# KiCad board LAUNCHXL-F280049C-KICAD.kicad_pcb
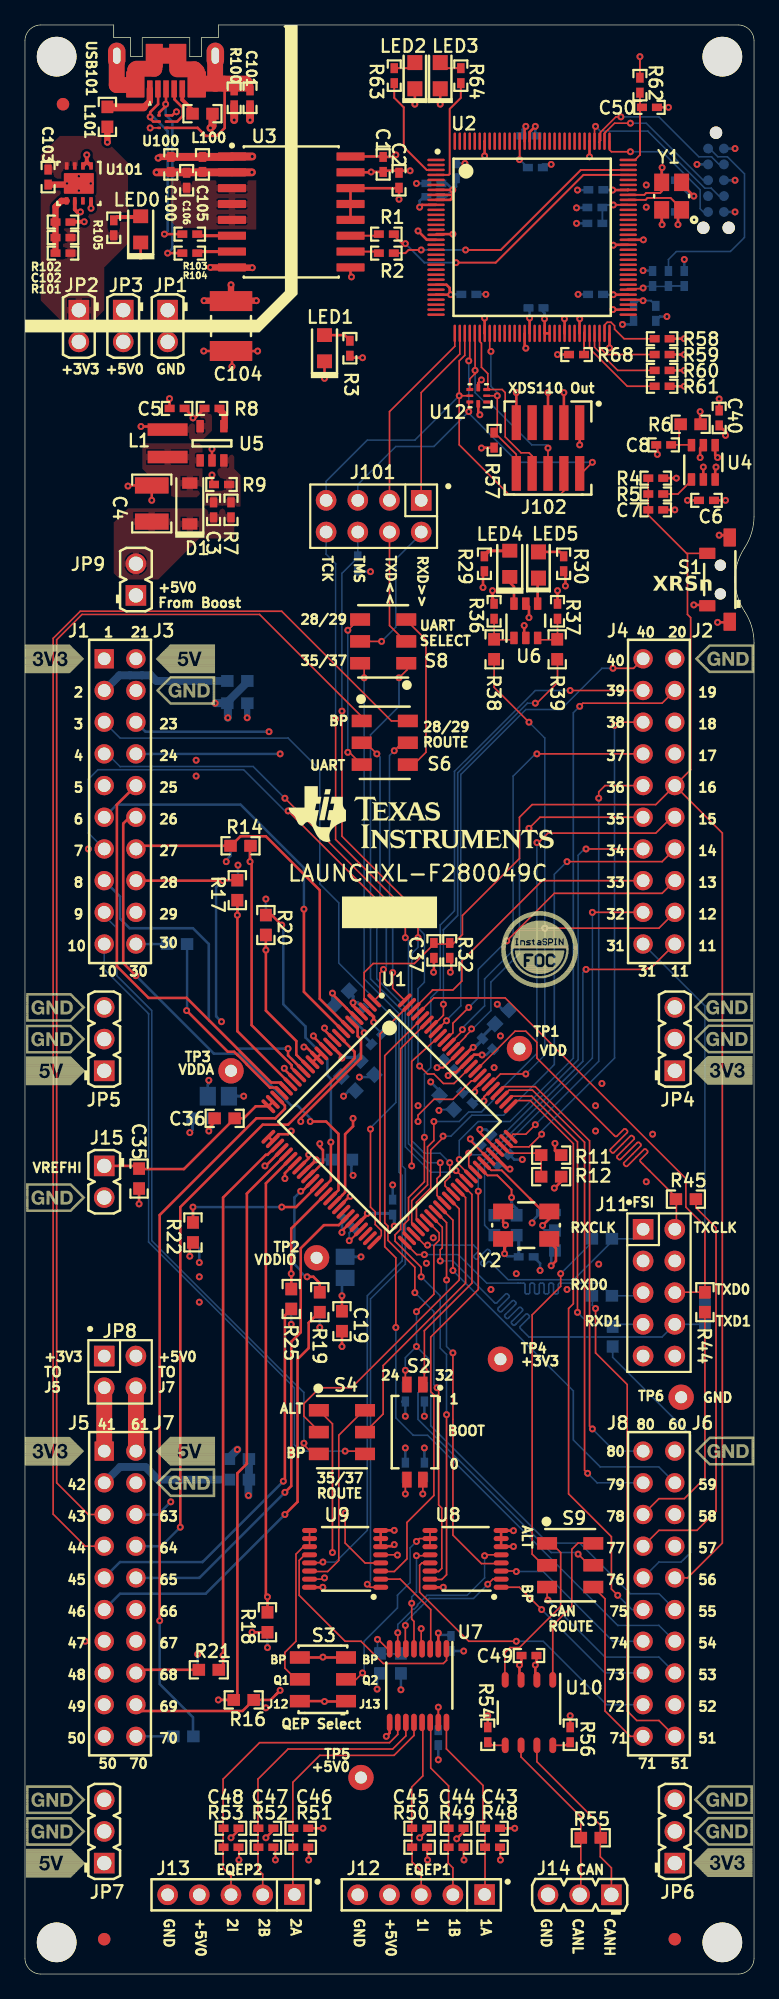
[diagram p0: board, top side]
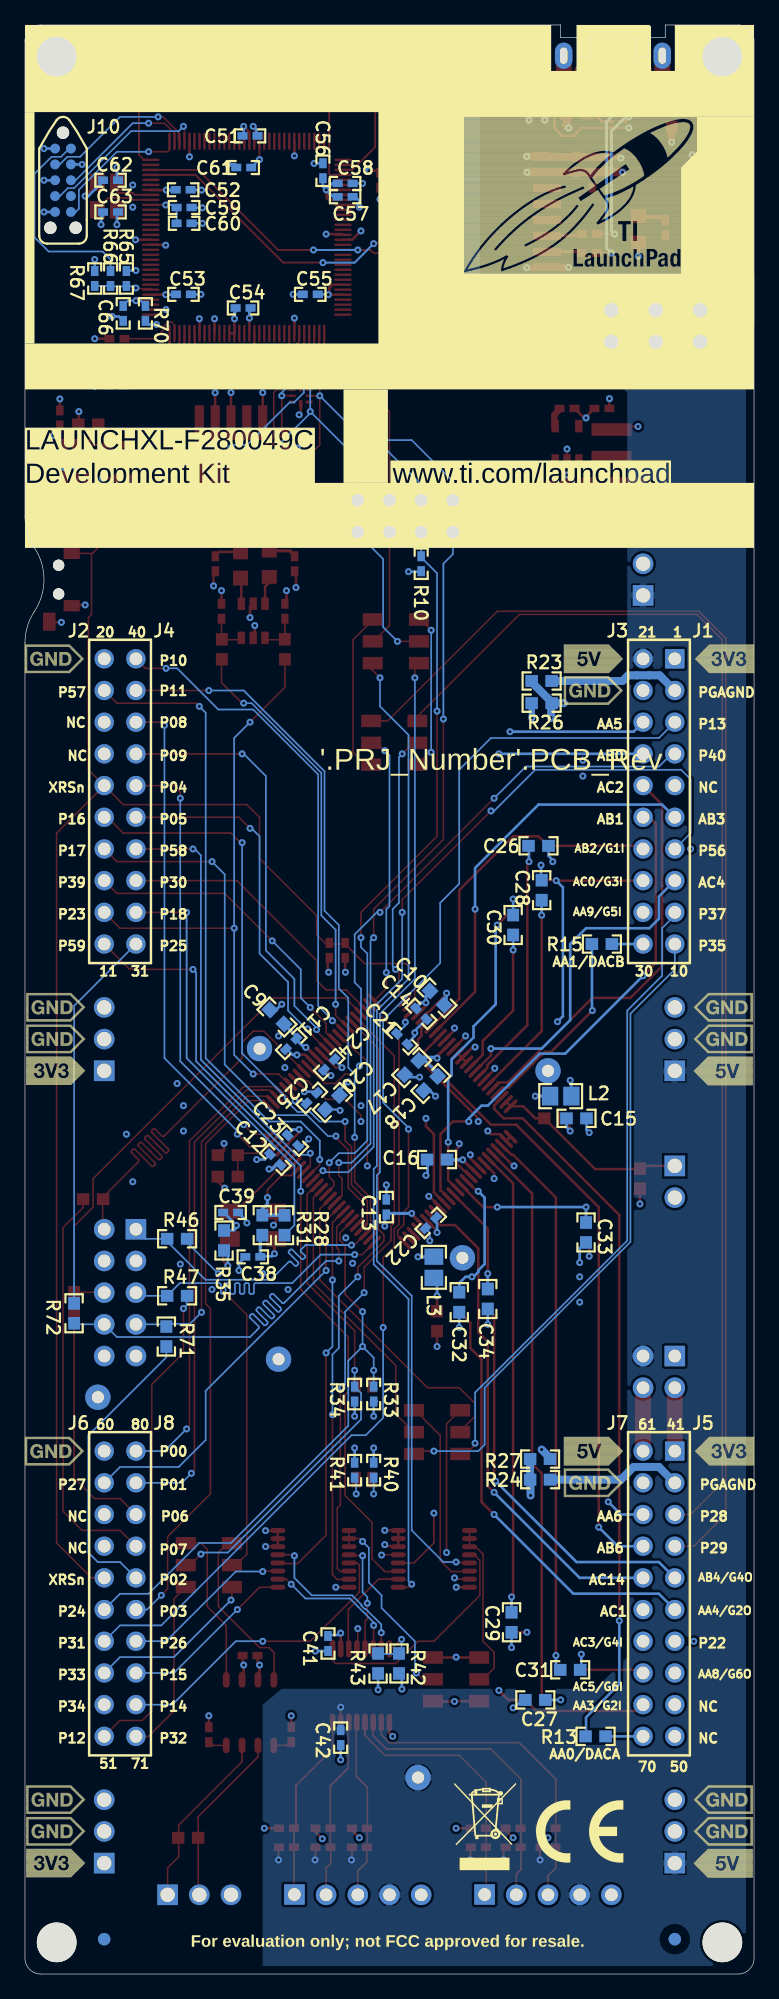
[diagram p1: board, bottom side, seen from below]

Outline 58.42 x 156.21 mm; copper layers: Top Signal, GND, Middle Signal, PWR, GND2, Bottom Signal. Coordinates in mm from the lower left corner of the outline.
Outline path: 0,154.94 arc(0.37,155.84) 1.27,156.21 7.11,156.21 7.11,155.19 8.46,155.19 8.46,153.67 9.4,153.67 9.4,155.19 13.21,155.19 13.21,153.67 14.15,153.67 14.15,155.19 15.49,155.19 15.49,156.21 57.15,156.21 arc(58.05,155.84) 58.42,154.94 58.42,116.84 arc(58.23,115.51) 57.66,114.3 arc(56.9,111.76) 57.66,109.22 arc(58.23,108.01) 58.42,106.68 58.42,1.27 arc(58.05,0.37) 57.15,0 1.27,0 arc(0.37,0.37) 0,1.27 0,154.94

## Placement (name value [footprint] x y rotation side)
C1  GRM155R71A104KA01D  [0402]  28.7 145.03 90 top
C2  GRM155R71A104KA01D  [0402]  29.97 143.76 270 top
C3  GRM1555C1H821JA01D  [0402]  15.11 117.35 90 top
C4  GRM32DR71E106KA12L  [1210_220]  10.16 117.86 90 top
C5  GRM155R60J475ME47D  [0402]  12.19 125.48 180 top
C6  GRM155R71A104KA01D  [0402]  54.61 118.11 0 top
C7  GRM155R71E103KA01D  [0402]  50.55 117.35 0 top
C8  GRM155R71E103KA01D  [0402]  51.18 122.55 180 top
C9  GRM188R61A106ME69D  [0603]  38.23 76.71 225 bottom
C10  GRM188R61A106ME69D  [0603]  25.4 78.23 45 bottom
C11  GRM155R71A104KA01D  [0402]  37.08 74.55 315 bottom
C12  GRM155R71A104KA01D  [0402]  38.35 65.28 45 bottom
C13  GRM155R71A104KA01D  [0402]  29.46 61.47 90 bottom
C14  GRM155R71A104KA01D  [0402]  26.67 76.96 225 bottom
C15  GRM188R61A225KE34D  [0603]  14.22 68.58 0 bottom
C16  GRM188R61A225KE34D  [0603]  25.4 65.28 0 bottom
C17  GRM188R61A225KE34D  [0603]  27.43 72.64 315 bottom
C18  GRM188R61A225KE34D  [0603]  25.91 71.37 315 bottom
C19  GRM188R61A106ME69D  [0603]  25.4 52.32 270 top
C20  GRM188R61A106ME69D  [0603]  33.78 69.85 135 bottom
C21  GRM155R71A104KA01D  [0402]  28.19 74.93 45 bottom
C22  GRM155R71A104KA01D  [0402]  25.91 60.2 315 bottom
C23  GRM155R71A104KA01D  [0402]  36.96 66.8 225 bottom
C24  GRM155R71A104KA01D  [0402]  34.04 72.9 135 bottom
C25  GRM155R71A104KA01D  [0402]  35.43 70.21 315 bottom
C26  GRM1885C1H331JA01D  [0603]  17.27 90.42 0 bottom
C27  GRM1885C1H331JA01D  [0603]  17.53 21.97 180 bottom
C28  GRM1885C1H331JA01D  [0603]  17.02 86.87 270 bottom
C29  GRM1885C1H331JA01D  [0603]  19.43 28.19 90 bottom
C30  GRM1885C1H331JA01D  [0603]  19.3 84.07 270 bottom
C31  GRM1885C1H331JA01D  [0603]  14.73 24.38 0 bottom
C32  GRM1885C1H331JA01D  [0603]  23.62 53.85 270 bottom
C33  GRM1885C1H331JA01D  [0603]  13.46 59.44 270 bottom
C34  GRM1885C1H331JA01D  [0603]  21.34 54.1 270 bottom
C35  GRM188R61A225KE34D  [0603]  9.14 63.75 270 top
C36  GRM188R61A225KE34D  [0603]  16 68.58 180 top
C37  GRM155R71A104KA01D  [0402]  32.77 82.04 90 top
C38  GRM1555C1H150JA01D  [0402]  40.16 57.48 0 bottom
C39  GRM1555C1H150JA01D  [0402]  41.94 61.03 180 bottom
C40  GRM155R71A104KA01D  [0402]  55.63 124.71 270 top
C41  GRM155R71A104KA01D  [0402]  34.14 26.49 270 bottom
C42  GRM155R71A104KA01D  [0402]  33.12 18.95 90 bottom
C43  GRM155R71H102KA01D  [0402]  37.47 11.68 0 top
C44  GRM155R71H102KA01D  [0402]  34.54 11.68 0 top
C45  GRM155R71H102KA01D  [0402]  31.62 11.68 0 top
C46  GRM155R71H102KA01D  [0402]  22.1 11.68 0 top
C47  GRM155R71H102KA01D  [0402]  19.3 11.68 0 top
C48  GRM155R71H102KA01D  [0402]  16.51 11.68 0 top
C49  GRM155R71A104KA01D  [0402]  40.39 25.53 180 top
C50  GRM155R71E103KA01D  [0402]  50.04 149.61 0 top
C51  GRM155R71E103KA01D  [0402]  40.39 147.32 180 bottom
C52  GRM155R71E103KA01D  [0402]  45.75 143 180 bottom
C53  GRM155R71E103KA01D  [0402]  45.72 134.62 180 bottom
C54  GRM155R70J104KA01D  [0402]  40.94 133.53 180 bottom
C55  GRM155R70J104KA01D  [0402]  35.56 134.62 0 bottom
C56  GRM155R61A105KE15D  [0402]  34.54 144.53 90 bottom
C57  GRM155R61A105KE15D  [0402]  32.77 142.44 180 bottom
C58  GRM155R71E103KA01D  [0402]  32.77 143.51 180 bottom
C59  GRM155R60J225KE95D  [0402]  45.67 141.58 180 bottom
C60  GRM155R70J104KA01D  [0402]  45.67 140.31 180 bottom
C61  GRM155R61A105KE15D  [0402]  40.89 144.78 0 bottom
C62  GRM1555C1H120JA01D  [0402]  51.56 143.76 0 bottom
C63  GRM1555C1H120JA01D  [0402]  51.56 141.22 180 bottom
C66  GRM155R70J104KA01D  [0402]  50.55 133.1 270 bottom
C100  GRM155R60J225KE95D  [0402]  11.68 145.03 270 top
C101  GRM155R71H332KA01D  [0402]  18.03 150.37 270 top
C102  GRM1555C1H150JA01D  [0402]  3.05 139.17 180 top
C103  GRM155R60J225KE95D  [0402]  1.85 144.02 270 top
C104  1812SC103KAT1A  [1812]  16.51 132.08 90 top
C105  GRM155R71A104KA01D  [0402]  14.22 145.03 90 top
C106  GRM155R71A104KA01D  [0402]  12.95 143.76 270 top
CE Logo1  CE Mark  [CE_Mark_5mm]  13.97 11.43 180 bottom
D1  1N5819HW-7-F  [SOD-123]  13.21 117.86 90 top
FID1  Fiducial  [Fiducial10-20]  3.05 149.86 0 top
FID2  Fiducial  [Fiducial10-20]  6.35 2.79 0 top
FID3  Fiducial  [Fiducial10-20]  52.07 2.79 0 top
FID4  Fiducial  [Fiducial10-20]  3.05 149.86 180 bottom
FID5  Fiducial  [Fiducial10-20]  6.35 2.79 180 bottom
FID6  Fiducial  [Fiducial10-20]  52.07 2.79 180 bottom
J1  SSQ-110-03-T-D  [BoosterPack_40pin_J1J3]  7.62 93.98 180 bottom
J2  SSQ-110-03-T-D  [BoosterPack_40pin_J2J4]  50.8 93.98 180 bottom
J5  SSQ-110-03-T-D  [BoosterPack_40pin_J1J3]  7.62 30.48 180 bottom
J6  SSQ-110-03-T-D  [BoosterPack_40pin_J2J4]  50.8 30.48 180 bottom
J10  TC2050-IDC-NL-FP  [Tag_TC2050-NL]  55.37 143.76 180 bottom
J11  -  [TSW-105-07-G-D]  50.8 54.61 270 top
J12  TSW-105-07-G-S  [TSW-105-07-X-S]  31.75 6.35 180 top
J13  TSW-105-07-G-S  [TSW-105-07-X-S]  16.51 6.35 180 top
J14  61300311121  [WURTH_61300311121]  44.45 6.35 180 top
J15  61300211121  [WURTH_61300211121]  6.35 63.5 270 top
J101  -  [TSW-104-07-G-D]  27.94 116.84 180 top
J102  FTSH-105-01-F-DV-K  [Samtec_FTSH-105-01-x-DV-K]  41.91 122.3 270 top
JP1  61300211121  [WURTH_61300211121]  11.43 132.08 270 top
JP2  61300211121  [WURTH_61300211121]  4.32 132.08 270 top
JP3  61300211121  [WURTH_61300211121]  7.87 132.08 270 top
JP4  61300311121  [WURTH_61300311121]  52.07 74.93 90 top
JP5  61300311121  [WURTH_61300311121]  6.35 74.93 90 top
JP6  61300311121  [WURTH_61300311121]  52.07 11.43 90 top
JP7  61300311121  [WURTH_61300311121]  6.35 11.43 90 top
JP8  -  [TSW-102-07-G-D]  7.62 48.26 270 top
JP9  61300211121  [WURTH_61300211121]  8.89 111.76 90 top
L1  744025003  [WE-TPC_2828]  11.43 122.68 270 top
L2  BKP2125HS600-T  [0805]  15.49 70.36 0 bottom
L3  BLM21PG221SN1D  [0805]  25.65 56.64 90 bottom
L100  742792620  [0603]  14.22 149.1 0 top
L101  742792620  [0603]  6.6 148.84 270 top
LED0  150080SS75000  [WL-SMCW_RED_0805]  9.27 139.83 90 top
LED1  150080SS75000  [WL-SMCW_RED_0805]  24 130.3 90 top
LED2  LTST-C170TBKT  [LTST-C170TBKT_Blue]  31.24 152.15 270 top
LED3  LTST-C170TBKT  [LTST-C170TBKT_Blue]  33.27 152.15 270 top
LED4  150080SS75000  [WL-SMCW_RED_0805]  38.85 113.03 90 top
LED5  LTST-C171GKT  [LED_LTST-C171]  41.15 112.93 270 top
Logo1  Texas Instruments  [TI_Stacked_Overlay_Small]  31.75 92.71 0 top
Logo2  WEEE logo  [WEEE_Minimum]  21.59 12.7 180 bottom
Logo3  FCC disclaimer  [FCC_disclaimer]  29.21 2.54 180 bottom
Logo4  -  [INSTASPIN_FOC_LOGO]  41.28 82.17 0 top
M1  60900213421  [Wurth_60900213421]  24.13 116.84 270 top
M2  60900213421  [Wurth_60900213421]  26.67 116.84 90 top
M3  60900213421  [Wurth_60900213421]  29.21 116.84 90 top
M4  60900213421  [Wurth_60900213421]  31.75 116.84 90 top
M5  60900213421  [Wurth_60900213421]  6.35 48.26 90 top
M6  60900213421  [Wurth_60900213421]  8.89 48.26 90 top
M7  60900213421  [Wurth_60900213421]  7.87 132.11 90 top
M8  60900213421  [Wurth_60900213421]  4.32 132.11 90 top
M9  60900213421  [Wurth_60900213421]  11.43 132.08 90 top
MH1  MTG_NoPads  [NPTH125mil]  2.54 153.67 0 top
MH2  MTG_NoPads  [NPTH125mil]  55.88 153.67 0 top
MH3  MTG_NoPads  [NPTH125mil]  2.54 2.54 0 top
MH4  MTG_NoPads  [NPTH125mil]  55.88 2.54 0 top
R1  CRCW040224R3FKED  [0402]  28.96 139.45 0 top
R2  CRCW040224R3FKED  [0402]  28.96 137.92 0 top
R3  CRCW0402680RJNED  [0402]  26.03 130.3 270 top
R4  CRCW04022K20JNED  [0402]  50.55 119.89 0 top
R5  CRCW04020000Z0ED  [0402]  50.55 118.62 180 top
R6  CRCW06032K20JNEA  [0603]  53.34 124.21 0 top
R7  RC0402FR-0730K1L  [0402]  16.51 117.35 270 top
R8  CRCW040210K0JNED  [0402]  14.99 125.48 180 top
R9  CRCW040210K0JNED  [0402]  15.75 119.38 0 top
R10  CRCW04022K20JNED  [0402]  26.67 113.03 270 bottom
R11  CRCW06030000Z0EA  [0603]  42.16 65.63 0 top
R12  CRCW06030000Z0EA  [0603]  42.16 63.91 0 top
R13  CRCW06030000Z0EA  [0603]  12.7 19.05 0 bottom
R14  CRCW06030000Z0EA  [0603]  17.27 90.42 180 top
R15  CRCW06030000Z0EA  [0603]  12.19 82.55 0 bottom
R16  CRCW06030000Z0EA  [0603]  17.53 21.97 0 top
R17  CRCW06030000Z0EA  [0603]  17.02 86.87 90 top
R18  CRCW06030000Z0EA  [0603]  19.43 28.19 270 top
R19  CRCW06030000Z0EA  [0603]  23.62 53.85 90 top
R20  CRCW06030000Z0EA  [0603]  19.3 84.07 90 top
R21  CRCW06030000Z0EA  [0603]  14.73 24.38 180 top
R22  CRCW06030000Z0EA  [0603]  13.46 59.44 90 top
R23  CRCW06030000Z0EA  [0603]  17.02 103.63 180 bottom
R24  CRCW06030000Z0EA  [0603]  17.15 39.62 180 bottom
R25  CRCW06030000Z0EA  [0603]  21.34 54.1 90 top
R26  CRCW06030000Z0EA  [0603]  17.02 101.85 180 bottom
R27  CRCW06030000Z0EA  [0603]  17.15 41.28 0 bottom
R28  CRCW06030000Z0EA  [0603]  37.62 60.02 90 bottom
R29  CRCW0402680RJNED  [0402]  36.81 113.03 270 top
R30  CRCW0402680RJNED  [0402]  43.16 113.03 270 top
R31  CRCW06030000Z0EA  [0603]  39.4 60.02 90 bottom
R32  CRCW04022K20JNED  [0402]  34.04 82.04 270 top
R33  CRCW040256K0JNED  [0402]  30.48 46.48 270 bottom
R34  CRCW040256K0JNED  [0402]  32 46.48 270 bottom
R35  CRCW06030000Z0EA  [0603]  42.47 58.79 270 bottom
R36  CRCW040210M0JNED  [0402]  37.59 109.22 90 top
R37  CRCW040210M0JNED  [0402]  42.67 109.22 90 top
R38  CRCW06030000Z0EA  [0603]  37.59 106.17 90 top
R39  CRCW06030000Z0EA  [0603]  42.65 106.17 90 top
R40  CRCW04022K20JNED  [0402]  30.48 40.39 270 bottom
R41  CRCW04022K20JNED  [0402]  32 40.39 270 bottom
R42  CRCW06032K20JNEA  [0603]  28.45 24.89 90 bottom
R43  CRCW06030000Z0EA  [0603]  30.12 24.89 90 bottom
R44  CRCW06030000Z0EA  [0603]  54.48 53.85 270 top
R45  CRCW06030000Z0EA  [0603]  52.96 62.1 0 top
R46  CRCW06030000Z0EA  [0603]  46.23 58.93 180 bottom
R47  CRCW06030000Z0EA  [0603]  46.23 54.36 180 bottom
R48  CRCW04021K00FKED  [0402]  37.47 10.16 0 top
R49  CRCW04021K00FKED  [0402]  34.54 10.16 0 top
R50  CRCW04021K00FKED  [0402]  31.62 10.16 0 top
R51  CRCW04021K00FKED  [0402]  22.1 10.16 0 top
R52  CRCW04021K00FKED  [0402]  19.3 10.16 0 top
R53  CRCW04021K00FKED  [0402]  16.51 10.16 0 top
R54  CRCW040210K0FKED  [0402]  37.08 19.18 90 top
R55  RC0603FR-07120RL  [0603]  45.34 10.92 0 top
R56  CRCW040210K0FKED  [0402]  43.69 19.18 270 top
R57  CRCW04023K30JNED  [0402]  37.59 122.94 270 top
R58  CRCW04021K00JNED  [0402]  51.05 131.06 0 top
R59  CRCW04021K00JNED  [0402]  51.05 129.79 0 top
R60  CRCW04021K00JNED  [0402]  51.05 128.52 0 top
R61  CRCW04021K00JNED  [0402]  51.05 127.25 0 top
R62  CRCW0402100RJNED  [0402]  49.28 151.38 270 top
R63  ERJ-2RKF4700X  [0402]  29.59 152.15 270 top
R64  ERJ-2RKF4700X  [0402]  34.93 152.15 270 top
R65  CRCW040210K0JNED  [0402]  50.29 135.89 90 bottom
R66  CRCW0402100RJNED  [0402]  51.56 135.89 270 bottom
R67  CRCW040210K0JNED  [0402]  52.83 135.89 270 bottom
R68  CRCW04024K87FKED  [0402]  44.2 129.79 0 top
R70  CRCW040251R0JNED  [0402]  48.77 133.1 270 bottom
R71  CRCW06030000Z0EA  [0603]  47.09 51.09 270 bottom
R72  CRCW06030000Z0EA  [0603]  54.48 52.96 90 bottom
R100  CRCW04021M00FKED  [0402]  16.76 150.37 90 top
R101  CRCW040251K0FKED  [0402]  3.05 137.92 0 top
R102  CRCW040230K0FKED  [0402]  3.05 140.41 180 top
R103  CRCW040224R3FKED  [0402]  13.21 139.45 0 top
R104  CRCW040224R3FKED  [0402]  13.21 137.92 0 top
R105  CRCW0402680RJNED  [0402]  7.11 139.95 270 top
S1  1188E-1K2-V-TR  [SW_1188E]  55.37 111.76 180 top
S2  218-2LPST  [SW_218-2LP]  31.24 43.43 270 top
S3  CAS-D20TA  [SW_CAS-D20TA]  23.88 23.62 180 top
S4  CAS-220TA  [SW_CAS-220TA]  25.4 43.43 0 top
S6  CAS-220TA  [SW_CAS-220TA]  28.83 98.68 0 top
S8  CAS-220TA  [SW_CAS-220TA]  28.7 106.81 180 top
S9  CAS-220TA  [SW_CAS-220TA]  43.69 32.77 0 top
TP1  -  [TESTPOINT]  39.62 74.17 0 top
TP2  -  [TESTPOINT]  23.37 57.4 0 top
TP3  -  [TESTPOINT]  16.51 72.39 0 top
TP4  -  [TESTPOINT]  38.1 49.28 0 top
TP5  -  [TESTPOINT]  26.92 15.75 0 top
TP6  -  [TESTPOINT]  52.58 46.23 0 top
U1  F280049CPZS  [PZ0100A_N]  29.21 68.33 315 top
U2  MSP432E401YTPDT  [PDT0128A]  40.64 139.19 0 top
U3  ADuM3160BRWZ  [SOIC-16]  21.34 141.22 0 top
U4  TPS3702CX33DDCR  [DDC0006A_N]  54.36 121.16 90 top
U5  LMR62421XMFX/NOPB  [DBV0005A_N]  14.99 122.68 90 top
U6  SN74LVC2G07DBVR  [DBV0006A_N]  40.13 108.46 90 top
U7  TXB0106PWR  [PW0016A_N]  31.5 23.11 270 top
U8  SN74LV4053ATPWRQ1  [PW0016A_L]  35.31 33.27 180 top
U9  SN74LV4053ATPWRQ1  [PW0016A_L]  25.65 33.27 180 top
U10  SN65HVD234DR  [D0008A_L]  40.39 20.95 270 top
U12  TPD6E004RSER  [RSE0008A]  36.32 126.49 180 top
U100  TPD4E004DRYR  [DRY0006A]  11.05 148.46 180 top
U101  TPS79601DRBR  [DRB0008B]  4.32 143.51 270 top
USB101  1051640001  [Molex_1051640001]  11.3 155.19 180 top
Y1  NX3225GA-16.000M-STD-CRG-1  [NDK_NX3225GA]  51.82 142.49 180 top
Y2  ECS-200-18-30B-AGN-TR  [ECS_ECX-53B]  40.16 60.02 90 top
ZZ2  These assemblies are ESD sensitive, ESD precautions shall be observed.  [AssemblyNote]  2.41 186.49 0 top
ZZ3  These assemblies must be clean and free from flux and all contaminants. Use of no clean flux is not acceptable.  [AssemblyNote]  2.41 182.68 0 top
ZZ4  These assemblies must comply with workmanship standards IPC-A-610 Class 2, unless otherwise specified.  [AssemblyNote]  2.41 178.87 0 top

## Footprints (pads in the part's own frame, mm; a bottom-side part is the same pattern mirrored in y, then rotated)
0402
  rect 0.8x0.6 smd: 1(-0.6,0) 2(0.6,0)
0603
  rect 1x0.95 smd: 1(-0.8,0) 2(0.8,0)
0805
  rect 1.3x1.5 smd: 1(-0.85,0) 2(0.85,0)
1210_220
  rect 1.3x2.7 smd: 1(-1.45,0) 2(1.45,0)
1812
  rect 1.6x3.4 smd: 1(-2,0) 2(2,0)
BoosterPack_40pin_J1J3
  rrect 1.55x1.55 hole 1.02: 1(1.27,11.43)
  round 1.55 hole 1.02: 2(1.27,8.89) 3(1.27,6.35) 4(1.27,3.81) 5(1.27,1.27) 6(1.27,-1.27) 7(1.27,-3.81) 8(1.27,-6.35) 9(1.27,-8.89) 10(1.27,-11.43) 21(-1.27,11.43) 22(-1.27,8.89) 23(-1.27,6.35) 24(-1.27,3.81) 25(-1.27,1.27) 26(-1.27,-1.27) 27(-1.27,-3.81) 28(-1.27,-6.35) 29(-1.27,-8.89) 30(-1.27,-11.43)
BoosterPack_40pin_J2J4
  round 1.55 hole 1.02: 11(-1.27,-11.43) 12(-1.27,-8.89) 13(-1.27,-6.35) 14(-1.27,-3.81) 15(-1.27,-1.27) 16(-1.27,1.27) 17(-1.27,3.81) 18(-1.27,6.35) 19(-1.27,8.89) 20(-1.27,11.43) 31(1.27,-11.43) 32(1.27,-8.89) 33(1.27,-6.35) 34(1.27,-3.81) 35(1.27,-1.27) 36(1.27,1.27) 37(1.27,3.81) 38(1.27,6.35) 39(1.27,8.89) 40(1.27,11.43)
D0008A_L
  oval 1.25x0.55 smd: 1(-2.625,1.905) 2(-2.625,0.635) 3(-2.625,-0.635) 4(-2.625,-1.905) 5(2.625,-1.905) 6(2.625,-0.635) 7(2.625,0.635) 8(2.625,1.905)
DBV0005A_N
  rrect 1x0.6 smd: 1(-1.375,0.95) 2(-1.375,0) 3(-1.375,-0.95) 4(1.375,-0.95) 5(1.375,0.95)
DBV0006A_N
  rrect 1x0.6 smd: 1(-1.375,0.95) 2(-1.375,0) 3(-1.375,-0.95) 4(1.375,-0.95) 5(1.375,0) 6(1.375,0.95)
DDC0006A_N
  rrect 1x0.6 smd: 1(-1.375,0.95) 2(-1.375,0) 3(-1.375,-0.95) 4(1.375,-0.95) 5(1.375,0) 6(1.375,0.95)
DRB0008B
  rrect 0.6x0.3 smd: 1(-1.4,0.975) 2(-1.4,0.325) 3(-1.4,-0.325) 4(-1.4,-0.975) 5(1.4,-0.975) 6(1.4,-0.325) 7(1.4,0.325) 8(1.4,0.975)
  rrect 1.65x2.4 smd: 9(0,0)
DRY0006A
  rrect 0.35x0.2 smd: 1(-0.275,0.5)
  rrect 0.3x0.2 smd: 2(-0.3,0) 3(-0.3,-0.5) 4(0.3,-0.5) 5(0.3,0) 6(0.3,0.5)
ECS_ECX-53B
  rect 1.25x1.6 smd: 1(-1.1,1.85) 2(-1.1,-1.85) 3(1.1,-1.85) 4(1.1,1.85)
Fiducial10-20
  round 1 smd: 1(0,0)
LED_LTST-C171
  rect 1.2x1.2 smd: 1(-1.05,0) 2(1.05,0)
LTST-C170TBKT_Blue
  rect 1.2x1.2 smd: 1(-1.05,0) 2(1.05,0)
Molex_1051640001
  rrect 0.45x1.38 smd: 1(1.3,4.11) 2(0.65,4.11) 3(0,4.11) 4(-0.65,4.11) 5(-1.3,4.11)
  rrect 1.475x2.1 smd: 6(-2.462,3.75) 11(2.462,3.75)
  rrect 1.4x2.1 hole 0.6x1.3: 7(-3.95,1.45) 10(3.95,1.45)
  rrect 1.375x1.9 smd: 8(-0.938,1.45) 9(0.938,1.45)
NDK_NX3225GA
  rect 1.2x1.4 smd: 1(-0.8,1.1) 2(-0.8,-1.1) 3(0.8,-1.1) 4(0.8,1.1)
NPTH125mil
  round 3.175 hole 3.175 unplated: (0,0)
PDT0128A
  oval 1.4x0.2 smd: 1(-7.7,6.2) 2(-7.7,5.8) 3(-7.7,5.4) 4(-7.7,5) 5(-7.7,4.6) 6(-7.7,4.2) 7(-7.7,3.8) 8(-7.7,3.4) 9(-7.7,3) 10(-7.7,2.6) 11(-7.7,2.2) 12(-7.7,1.8) 13(-7.7,1.4) 14(-7.7,1) 15(-7.7,0.6) 16(-7.7,0.2) 17(-7.7,-0.2) 18(-7.7,-0.6) 19(-7.7,-1) 20(-7.7,-1.4) 21(-7.7,-1.8) 22(-7.7,-2.2) 23(-7.7,-2.6) 24(-7.7,-3) 25(-7.7,-3.4) 26(-7.7,-3.8) 27(-7.7,-4.2) 28(-7.7,-4.6) 29(-7.7,-5) 30(-7.7,-5.4) 31(-7.7,-5.8) 32(-7.7,-6.2) 65(7.7,-6.2) 66(7.7,-5.8) 67(7.7,-5.4) 68(7.7,-5) 69(7.7,-4.6) 70(7.7,-4.2) 71(7.7,-3.8) 72(7.7,-3.4) 73(7.7,-3) 74(7.7,-2.6) 75(7.7,-2.2) 76(7.7,-1.8) 77(7.7,-1.4) 78(7.7,-1) 79(7.7,-0.6) 80(7.7,-0.2) 81(7.7,0.2) 82(7.7,0.6) 83(7.7,1) 84(7.7,1.4) 85(7.7,1.8) 86(7.7,2.2) 87(7.7,2.6) 88(7.7,3) 89(7.7,3.4) 90(7.7,3.8) 91(7.7,4.2) 92(7.7,4.6) 93(7.7,5) 94(7.7,5.4) 95(7.7,5.8) 96(7.7,6.2)
  oval 0.2x1.4 smd: 33(-6.2,-7.7) 34(-5.8,-7.7) 35(-5.4,-7.7) 36(-5,-7.7) 37(-4.6,-7.7) 38(-4.2,-7.7) 39(-3.8,-7.7) 40(-3.4,-7.7) 41(-3,-7.7) 42(-2.6,-7.7) 43(-2.2,-7.7) 44(-1.8,-7.7) 45(-1.4,-7.7) 46(-1,-7.7) 47(-0.6,-7.7) 48(-0.2,-7.7) 49(0.2,-7.7) 50(0.6,-7.7) 51(1,-7.7) 52(1.4,-7.7) 53(1.8,-7.7) 54(2.2,-7.7) 55(2.6,-7.7) 56(3,-7.7) 57(3.4,-7.7) 58(3.8,-7.7) 59(4.2,-7.7) 60(4.6,-7.7) 61(5,-7.7) 62(5.4,-7.7) 63(5.8,-7.7) 64(6.2,-7.7) 97(6.2,7.7) 98(5.8,7.7) 99(5.4,7.7) 100(5,7.7) 101(4.6,7.7) 102(4.2,7.7) 103(3.8,7.7) 104(3.4,7.7) 105(3,7.7) 106(2.6,7.7) 107(2.2,7.7) 108(1.8,7.7) 109(1.4,7.7) 110(1,7.7) 111(0.6,7.7) 112(0.2,7.7) 113(-0.2,7.7) 114(-0.6,7.7) 115(-1,7.7) 116(-1.4,7.7) 117(-1.8,7.7) 118(-2.2,7.7) 119(-2.6,7.7) 120(-3,7.7) 121(-3.4,7.7) 122(-3.8,7.7) 123(-4.2,7.7) 124(-4.6,7.7) 125(-5,7.7) 126(-5.4,7.7) 127(-5.8,7.7) 128(-6.2,7.7)
PW0016A_L
  oval 1.2x0.4 smd: 1(-2.85,2.275) 2(-2.85,1.625) 3(-2.85,0.975) 4(-2.85,0.325) 5(-2.85,-0.325) 6(-2.85,-0.975) 7(-2.85,-1.625) 8(-2.85,-2.275) 9(2.85,-2.275) 10(2.85,-1.625) 11(2.85,-0.975) 12(2.85,-0.325) 13(2.85,0.325) 14(2.85,0.975) 15(2.85,1.625) 16(2.85,2.275)
PW0016A_N
  oval 1.4x0.45 smd: 1(-2.95,2.275) 2(-2.95,1.625) 3(-2.95,0.975) 4(-2.95,0.325) 5(-2.95,-0.325) 6(-2.95,-0.975) 7(-2.95,-1.625) 8(-2.95,-2.275) 9(2.95,-2.275) 10(2.95,-1.625) 11(2.95,-0.975) 12(2.95,-0.325) 13(2.95,0.325) 14(2.95,0.975) 15(2.95,1.625) 16(2.95,2.275)
PZ0100A_N
  oval 1.45x0.3 smd: 1(-7.725,6) 2(-7.725,5.5) 3(-7.725,5) 4(-7.725,4.5) 5(-7.725,4) 6(-7.725,3.5) 7(-7.725,3) 8(-7.725,2.5) 9(-7.725,2) 10(-7.725,1.5) 11(-7.725,1) 12(-7.725,0.5) 13(-7.725,0) 14(-7.725,-0.5) 15(-7.725,-1) 16(-7.725,-1.5) 17(-7.725,-2) 18(-7.725,-2.5) 19(-7.725,-3) 20(-7.725,-3.5) 21(-7.725,-4) 22(-7.725,-4.5) 23(-7.725,-5) 24(-7.725,-5.5) 25(-7.725,-6) 51(7.725,-6) 52(7.725,-5.5) 53(7.725,-5) 54(7.725,-4.5) 55(7.725,-4) 56(7.725,-3.5) 57(7.725,-3) 58(7.725,-2.5) 59(7.725,-2) 60(7.725,-1.5) 61(7.725,-1) 62(7.725,-0.5) 63(7.725,0) 64(7.725,0.5) 65(7.725,1) 66(7.725,1.5) 67(7.725,2) 68(7.725,2.5) 69(7.725,3) 70(7.725,3.5) 71(7.725,4) 72(7.725,4.5) 73(7.725,5) 74(7.725,5.5) 75(7.725,6)
  oval 0.3x1.45 smd: 26(-6,-7.725) 27(-5.5,-7.725) 28(-5,-7.725) 29(-4.5,-7.725) 30(-4,-7.725) 31(-3.5,-7.725) 32(-3,-7.725) 33(-2.5,-7.725) 34(-2,-7.725) 35(-1.5,-7.725) 36(-1,-7.725) 37(-0.5,-7.725) 38(0,-7.725) 39(0.5,-7.725) 40(1,-7.725) 41(1.5,-7.725) 42(2,-7.725) 43(2.5,-7.725) 44(3,-7.725) 45(3.5,-7.725) 46(4,-7.725) 47(4.5,-7.725) 48(5,-7.725) 49(5.5,-7.725) 50(6,-7.725) 76(6,7.725) 77(5.5,7.725) 78(5,7.725) 79(4.5,7.725) 80(4,7.725) 81(3.5,7.725) 82(3,7.725) 83(2.5,7.725) 84(2,7.725) 85(1.5,7.725) 86(1,7.725) 87(0.5,7.725) 88(0,7.725) 89(-0.5,7.725) 90(-1,7.725) 91(-1.5,7.725) 92(-2,7.725) 93(-2.5,7.725) 94(-3,7.725) 95(-3.5,7.725) 96(-4,7.725) 97(-4.5,7.725) 98(-5,7.725) 99(-5.5,7.725) 100(-6,7.725)
RSE0008A
  rrect 0.55x0.25 smd: 1(-0.675,0.5) 3(-0.675,-0.5) 5(0.675,-0.5) 7(0.675,0.5)
  rrect 0.55x0.2 smd: 2(-0.675,0) 6(0.675,0)
  rrect 0.3x0.6 smd: 4(0,-0.65) 8(0,0.65)
Samtec_FTSH-105-01-x-DV-K
  rect 2.79x0.74 smd: 1(-2.035,2.54) 2(2.035,2.54) 3(-2.035,1.27) 4(2.035,1.27) 5(-2.035,0) 6(2.035,0) 7(-2.035,-1.27) 8(2.035,-1.27) 9(-2.035,-2.54) 10(2.035,-2.54)
SOD-123
  rect 0.915x1.22 smd: 1(-1.637,0) 2(1.637,0)
SOIC-16
  rrect 2.25x0.65 smd: 1(-4.75,4.445) 2(-4.75,3.175) 3(-4.75,1.905) 4(-4.75,0.635) 5(-4.75,-0.635) 6(-4.75,-1.905) 7(-4.75,-3.175) 8(-4.75,-4.445) 9(4.75,-4.445) 10(4.75,-3.175) 11(4.75,-1.905) 12(4.75,-0.635) 13(4.75,0.635) 14(4.75,1.905) 15(4.75,3.175) 16(4.75,4.445)
SW_218-2LP
  rect 1.27x0.76 smd: 1(-3.81,0.635) 2(-3.81,-0.635) 3(3.81,-0.635) 4(3.81,0.635)
SW_1188E
  round 0.9 hole 0.9 unplated: (-0.35,1.15) (-0.35,-1.15)
  rrect 1x1.45 smd: 1(-1.1,3.375) 2(-1.1,-3.375)
  rrect 1.3x0.9 smd: 3(0.7,2.1) 4(0.7,-2.1)
SW_CAS-220TA
  rect 1.6x1 smd: 1(-1.85,1.75) 2(-1.85,0) 3(-1.85,-1.75) 4(1.85,1.75) 5(1.85,0) 6(1.85,-1.75)
SW_CAS-D20TA
  rect 1.6x1 smd: 1(-1.85,1.75) 2(-1.85,0) 3(-1.85,-1.75) 4(1.85,1.75) 5(1.85,0) 6(1.85,-1.75)
Tag_TC2050-NL
  round 0.991 hole 0.991 unplated: (-1.016,-3.81) (0,3.81) (1.016,-3.81)
  round 0.787 smd: 1(-0.635,2.54) 2(-0.635,1.27) 3(-0.635,0) 4(-0.635,-1.27) 5(-0.635,-2.54) 6(0.635,-2.54) 7(0.635,-1.27) 8(0.635,0) 9(0.635,1.27) 10(0.635,2.54)
TESTPOINT
  round 2.032 hole 0.965: 1(0,0)
TSW-102-07-G-D
  rrect 1.65x1.65 hole 1.016: 1(-1.27,-1.27)
  round 1.65 hole 1.016: 2(-1.27,1.27) 3(1.27,-1.27) 4(1.27,1.27)
TSW-104-07-G-D
  rrect 1.65x1.65 hole 1.016: 1(-3.81,-1.27)
  round 1.65 hole 1.016: 2(-3.81,1.27) 3(-1.27,-1.27) 4(-1.27,1.27) 5(1.27,-1.27) 6(1.27,1.27) 7(3.81,-1.27) 8(3.81,1.27)
TSW-105-07-G-D
  rrect 1.65x1.65 hole 1.016: 1(-5.08,-1.27)
  round 1.65 hole 1.016: 2(-5.08,1.27) 3(-2.54,-1.27) 4(-2.54,1.27) 5(0,-1.27) 6(0,1.27) 7(2.54,-1.27) 8(2.54,1.27) 9(5.08,-1.27) 10(5.08,1.27)
TSW-105-07-X-S
  rrect 1.65x1.65 hole 1.016: 1(-5.08,-0.025)
  round 1.65 hole 1.016: 2(-2.54,0) 3(0,0) 4(2.54,0) 5(5.08,0)
WE-TPC_2828
  rect 1x3.2 smd: 1(-1.1,0) 2(1.1,0)
WL-SMCW_RED_0805
  rect 1.1x1.2 smd: 1(-1.05,0) 2(1.05,0)
WURTH_61300211121
  rect 1.65x1.65 hole 1.15: 1(-1.27,0)
  round 1.65 hole 1.15: 2(1.27,0)
WURTH_61300311121
  rect 1.65x1.65 hole 1.15: 1(-2.54,0)
  round 1.65 hole 1.15: 2(0,0) 3(2.54,0)
